# Altium PCB KOntroler v.1.1.PcbDoc (part 1 of 2)
Units mm, origin at the board's own origin, x right, y up, seen from the top; angles counter-clockwise.
Board outline 132.08 x 83 mm, 2 copper layers (Top Layer, Bottom Layer); 116 components, 97 nets, 484 pads, 241 vias.
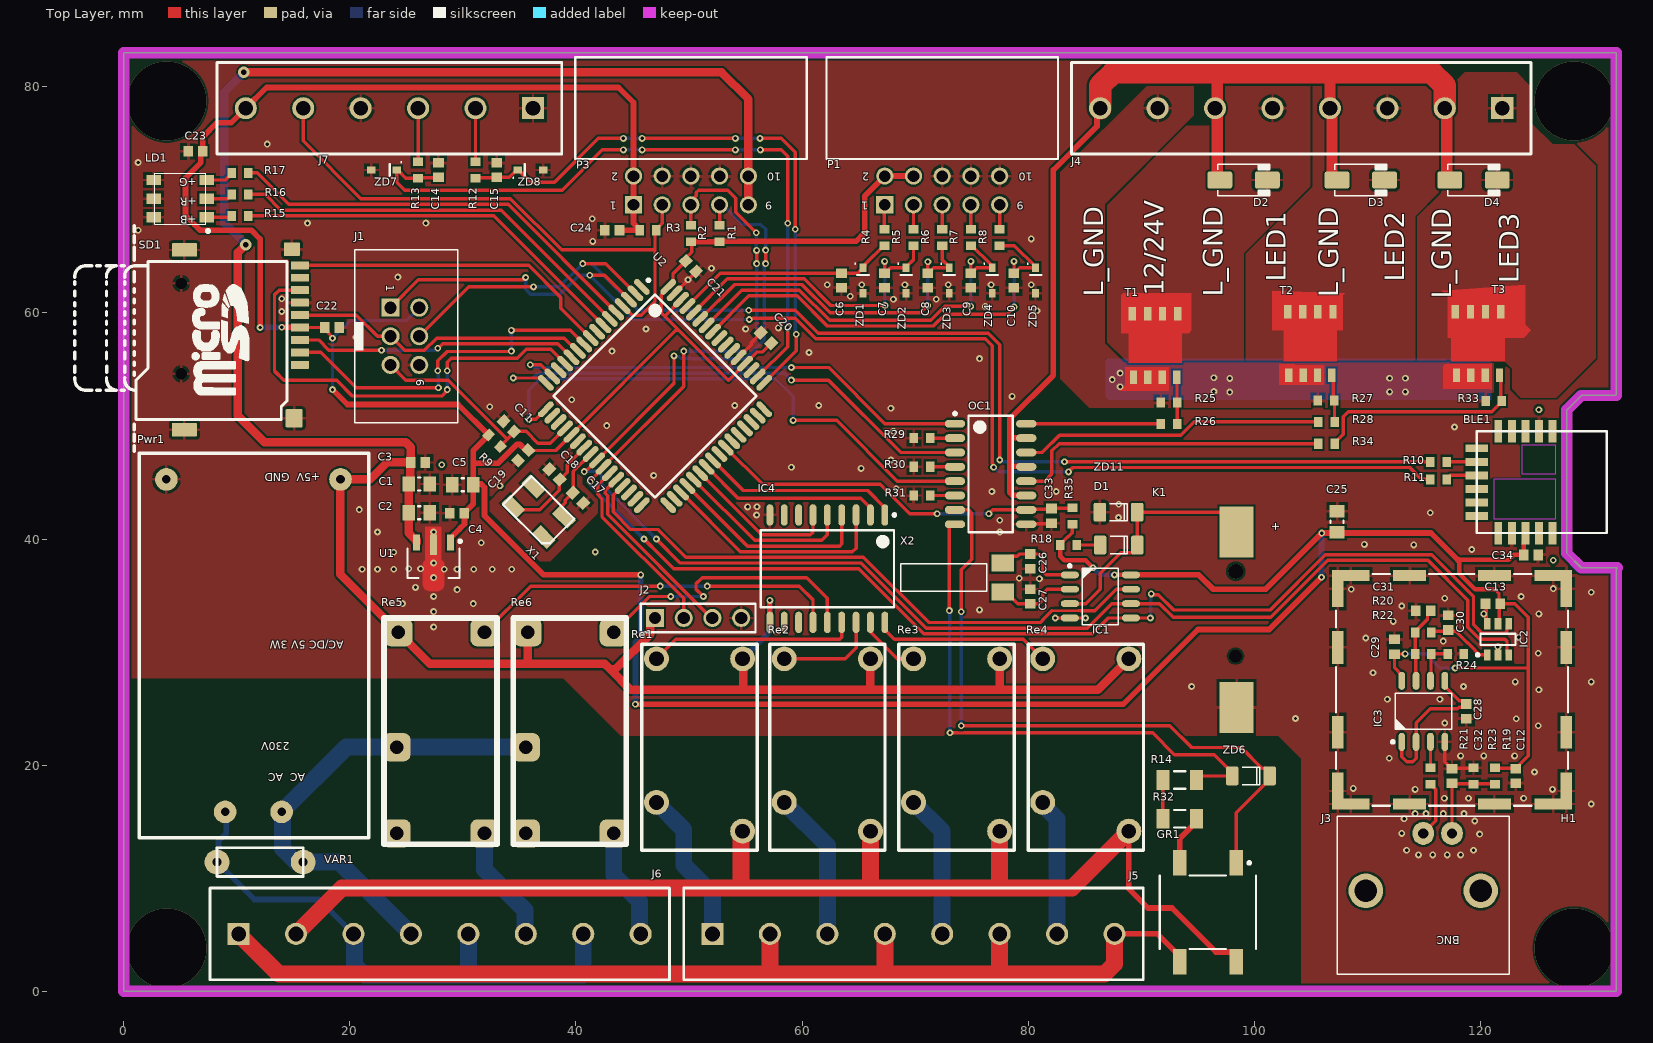
[diagram p0: Top Layer view]
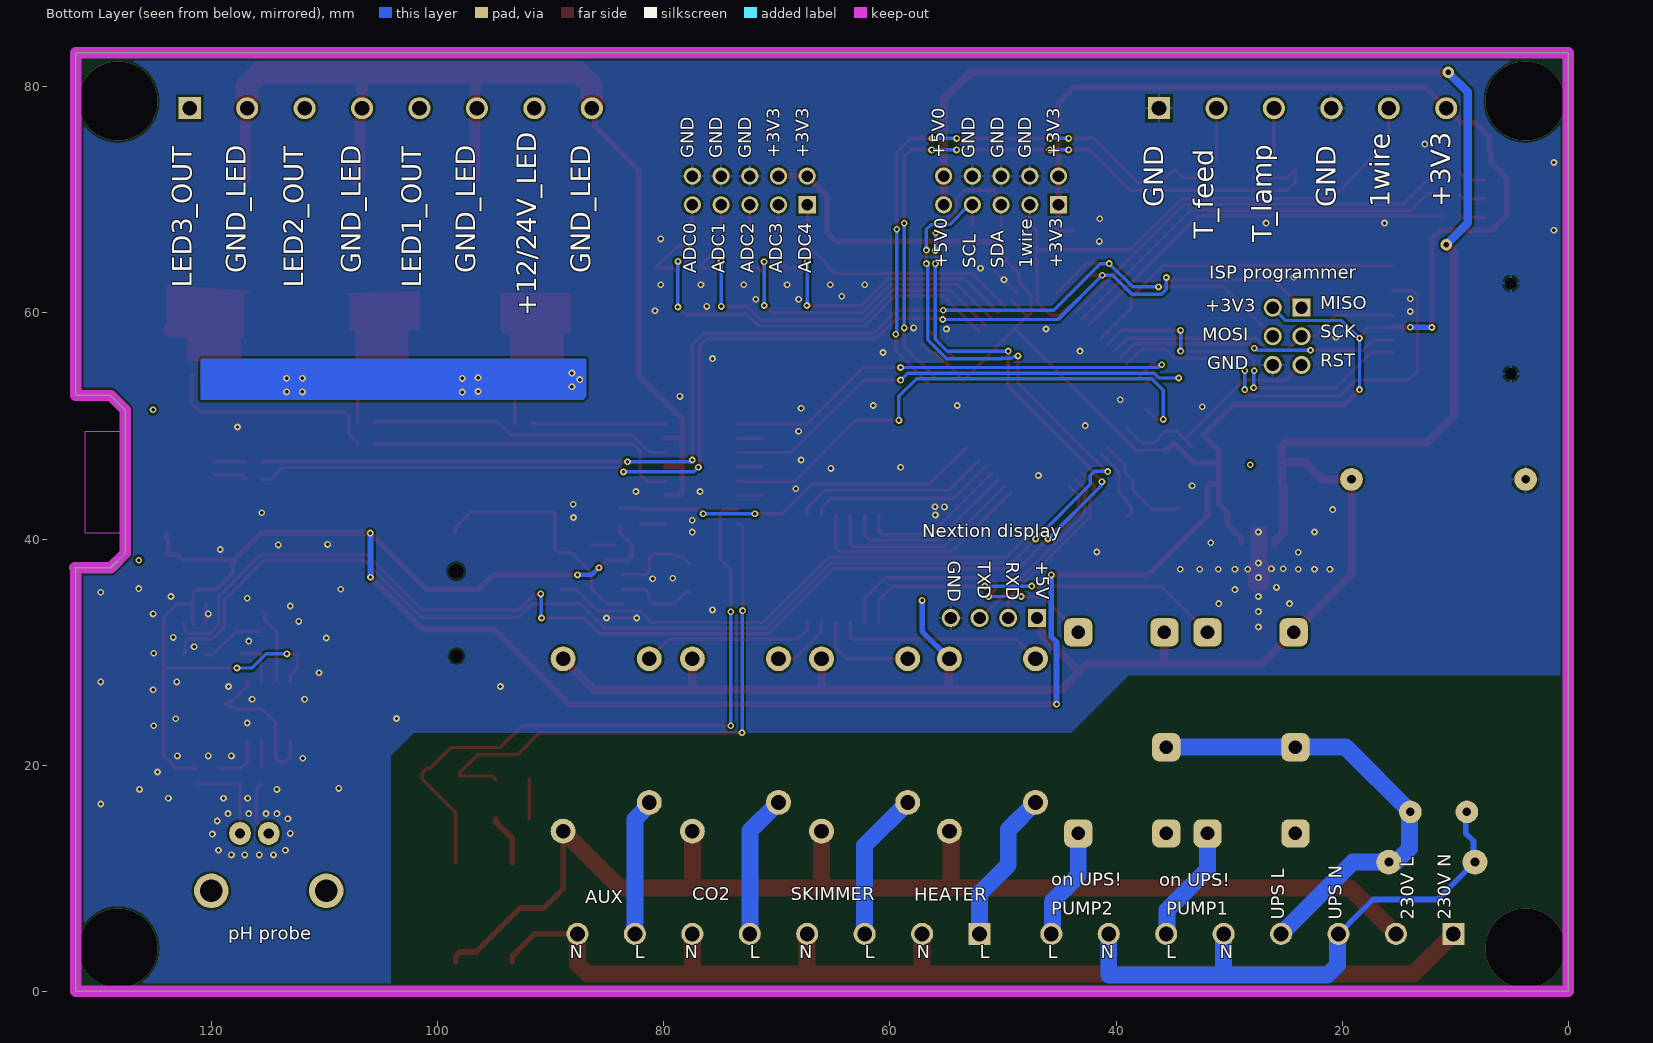
[diagram p1: Bottom Layer view, seen from below]
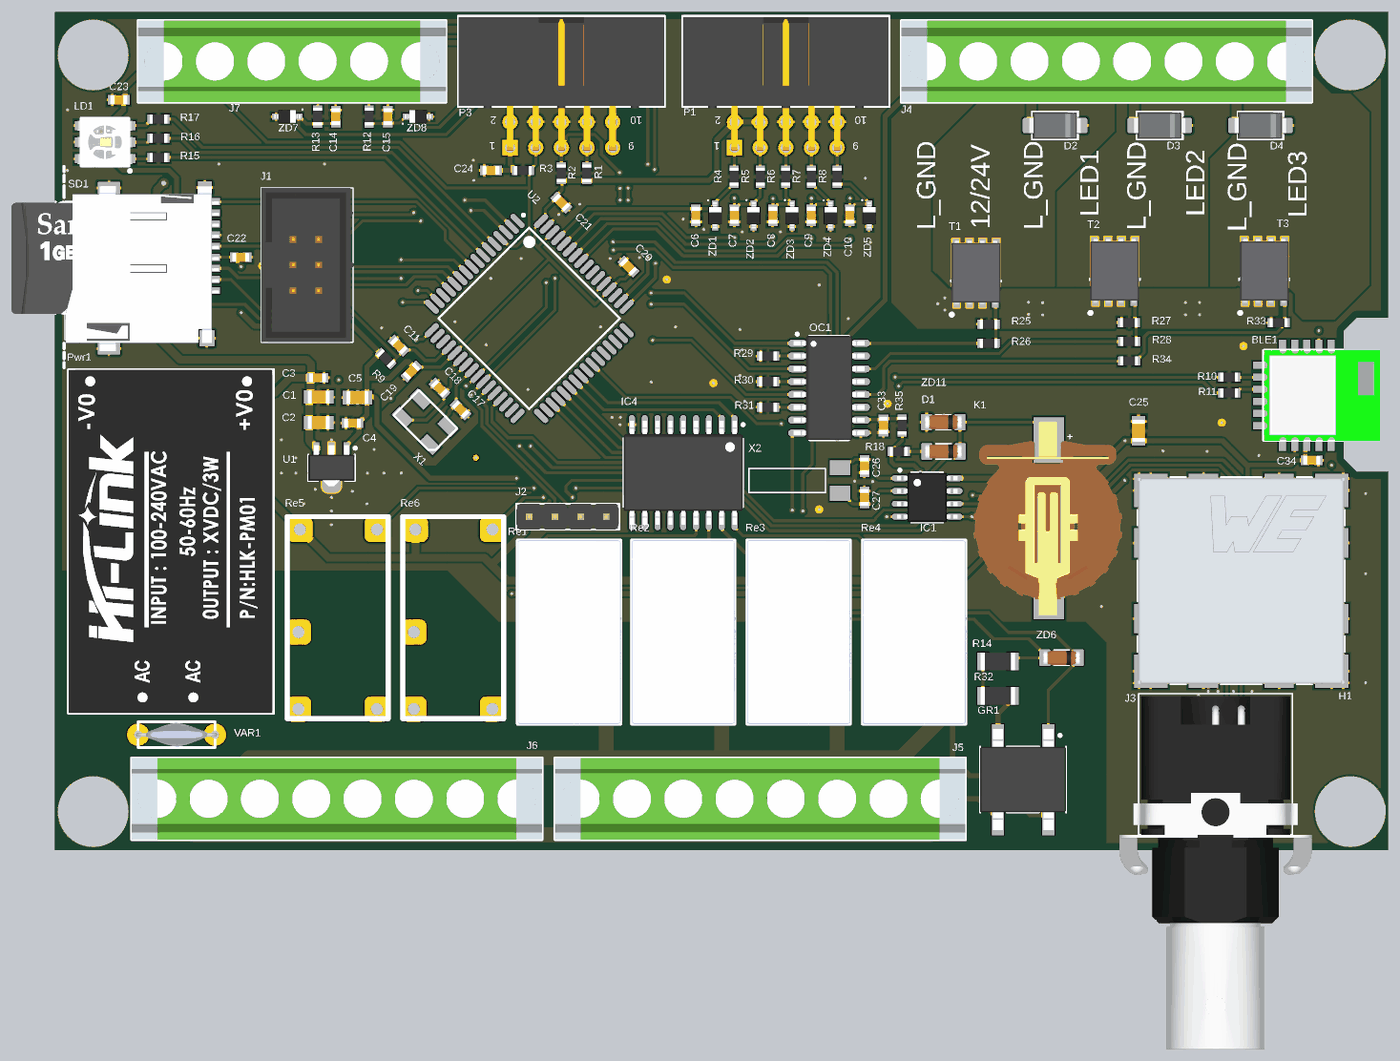
[diagram p3: 3D render of the assembled board from above, using the file's embedded part models]

## Layer stack, top to bottom
Top Solder: solder mask 0.0102, Solder Resist, Dk 3.5
Top Layer: signal copper 0.0356
Dielectric 1: dielectric 0.32, FR-4, Dk 4.8
Bottom Layer: signal copper 0.0356
Bottom Solder: solder mask 0.0102, Solder Resist, Dk 3.5

## Board outline
0,0 0,83 132,83 132,52.705 128.905,52.705 127.635,51.435 127.635,38.735 128.905,37.465 132.08,37.465 132,37.385 132,0

## Design rules (kind name [scope] priority, off if disabled: settings)
Clearance [All] p1: gap=0.2 ignorepadtopadclearanceinfootprint=FALSE
PolygonConnect [All] p1: thpad.connectstyle=Relief thpad.reliefconductorwidth=0.254 thpad.reliefentries=4 thpad.polygonreliefangle="90 Angle" thpad.airgapwidth=0.254 smdpad.connectstyle=Relief smdpad.reliefconductorwidth=0.254 smdpad.reliefentries=4 smdpad.polygonreliefangle="90 Angle" smdpad.airgapwidth=0.254 via.connectstyle=Direct via.reliefconductorwidth=0.254 via.reliefentries=4 via.polygonreliefangle="90 Angle" via.airgapwidth=0.254
RoutingVias [All] p1: holewidth=0.3 width=0.6 viastyle="Through Hole" minholewidth=0.3 minwidth=0.5 maxholewidth=10 maxwidth=10
SolderMaskExpansion [All] p1: expansion=0.102 istentingtop=FALSE
Width [All] p1: maxlimit=5 minlimit=0.2 preferedwidth=0.3
30 further rules are at their usual default settings.

## Classes and differential pairs
component class "RTC in SD": C26 C27 D1 IC1 K1 R18 SD1 X2 ZD11
component class PSU: C1 C2 C3 C4 C5 Pwr1 U1 VAR1
component class pH: C12 C13 C28 C29 C30 C31 C32 H1 IC2 IC3 J3 R19 R20 R21 R22 R23 R24
component class OUT_LEDS: C33 D2 D3 D4 GR1 J4 OC1 R14 R25 R26 R27 R28 R29 R30 R31 R32 R33 R34 R35 T1 T2 T3 ZD6
component class OUT_230VAC: IC4 J5 J6 Re1 Re2 Re3 Re4 Re5 Re6
component class MCU: C6 C7 C8 C9 C10 C11 C14 C15 C17 C18 C19 C20 C21 C22 C23 C24 C25 J1 J2 J7 LD1 P1 P3 R1 R2 R3 R4 R5 R6 R7 R8 R9 R12 R13 R15 R16 R17 U2 X1 ZD1 ZD2 ZD3 ZD4 ZD5 ZD7 ZD8
component class BLE: BLE1 C34 R10 R11

## Components (designator, comment, footprint, x,y, rotation, side; value= is the part's Value field where it differs from the comment)
BLE1 "RN4871" RN4781U 119.665,49.53 r270 top locked value=RN4871-I/RM130
C1 "10uF 0805" "0805 CAP" 26.135,44.869 r180 top value=10uF
C2 "10uF 0805" "0805 CAP" 26.135,42.329 r180 top value=10uF
C3 "100nF" "0603 cap" 26.035,46.774 r180 top
C4 "100nF" "0603 cap" 29.483,42.283 r0 top
C5 "10uF 0805" "0805 CAP" 29.982,44.814 r0 top value=10uF
C6 "100nF" "0603 cap" 63.481,62.865 r270 top
C7 "100nF" "0603 cap" 67.291,62.865 r270 top
C8 "100nF" "0603 cap" 71.101,62.865 r270 top
C9 "100nF" "0603 cap" 74.911,62.865 r270 top
C10 "100nF" "0603 cap" 78.721,62.865 r270 top
C11 "100nF" "0603 cap" 34.061,49.961 r315 top
C12 "10uF 0603" "0603 cap" 123.115,19.05 r90 top value=100nF
C13 "100nF" "0603 cap" 121.093,34.29 r0 top
C14 "100nF" "0603 cap" 27.832,72.642 r90 top
C15 "100nF" "0603 cap" 32.986,72.642 r90 top
C17 "22pF" "0603 cap" 40.18,43.64 r135 top
C18 "22pF" "0603 cap" 38.1,45.72 r315 top
C19 "100nF" "0603 cap" 35.327,47.409 r45 top
C20 "100nF" "0603 cap" 56.807,57.785 r315 top
C21 "100nF" "0603 cap" 50.165,64.135 r135 top
C22 "100nF" "0603 cap" 18.415,58.712 r180 top
C23 "100nF" "0603 cap" 6.35,74.295 r0 top
C24 "100nF" "0603 cap" 43.195,67.31 r0 top
C25 "10uF 0805" "0805 CAP" 107.315,41.53 r270 top value=10uF
C26 "12pF" "0603 cap" 80.18,38.03 r270 top value="6,8 pF"
C27 "12pF" "0603 cap" 80.18,34.925 r90 top value="6,8 pF"
C28 "Capacitor" "0603 cap" 118.745,24.765 r90 top value=100nF
C29 "100nF" "0603 cap" 112.395,30.48 r90 top
C30 "100nF" "0603 cap" 117.14,32.607 r270 top
C31 "100nF" "0603 cap" 114.935,33.655 r0 top
C32 "100nF" "0603 cap" 117.475,19.05 r270 top
C33 "100nF" "0603 cap" 82.058,42.05 r90 top
C34 "10uF 0603" "0603 cap" 124.46,38.6 r180 top value=10uF
D1 "NP" SOD80 88.001,39.476 r0 top value="1N4148, NP"
D2 "SS14" DO-214AC 99.045,71.755 r0 top
D3 "SS14" DO-214AC 109.41,71.755 r0 top
D4 "SS14" DO-214AC 119.38,71.755 r0 top
GR1 "GR" SOT4 95.885,6.985 r270 top
H1 "20x20x3mm" 36903205S 117.475,26.67 r0 top locked
IC1 "MCP7940N" SOIC8 86.38,34.925 r0 top value=MCP7940N-I/SN
IC2 "ADS1110" SOT23-6 121.539,31.13 r90 top
IC3 "NE5532A" SOIC8 114.935,24.765 r90 top
IC4 "ULN2803A" SOIC18 62.23,37.38 r270 top value=ULN2803ADW
J1 "ISP" 61200621621 24.865,57.937 r270 top
J2 "04p" 61300411121 50.8,33.02 r0 top
J3 "BNC Fem. 50R" CONN_BNC_RA_PCB 114.935,1.016 r180 top
J4 "LEDs" 691241510008 104.14,78.105 r180 top
J5 "230 VAC porabniki" 691241510008 69.85,5.08 r0 top
J6 "ČRPALKE" 691241510008 27.94,5.08 r0 top
J7 "691241510006" 691241510006 23.495,78.105 r180 top
K1 "S8411 bat holder" "S8411 BAT HOLDER" 98.425,33.02 r270 top value="SB411 battery holder NP"
LD1 "RGB_LED" LED_5050 73.852,62.855 r180 top value=Led_RGB_5050
OC1 "HCPL-244" SOIC16 76.668,45.755 r0 top
P1 "ADCs" 612010235221 72.39,78.105 r180 top
P3 "Digital" 612010235221 50.165,78.105 r180 top
Pwr1 "5V" "AC-DC 5V 3W" 11.47,30.575 r180 top
R1 "4k7" "0603 RES" 52.682,67.025 r270 top
R2 "4k7" "0603 RES" 50.165,67.025 r270 top
R3 "4k7" "0603 RES" 46.355,67.31 r180 top
R4 "1k" "0603 RES" 67.278,66.675 r90 top
R5 "1k" "0603 RES" 69.85,66.675 r90 top
R6 "1k" "0603 RES" 72.39,66.675 r90 top
R7 "1k" "0603 RES" 74.93,66.675 r90 top
R8 "1k" "0603 RES" 77.47,66.675 r90 top
R9 "10k" "0603 RES" 32.791,48.691 r135 top
R10 "0R" "0603 RES" 116.276,46.83 r180 top
R11 "0R" "0603 RES" 116.275,45.28 r180 top
R12 "1k" "0603 RES" 31.115,72.642 r90 top
R13 "1k" "0603 RES" 26.037,72.642 r90 top
R14 "270k" "1206 RES" 93.385,18.7 r0 top
R15 "470" "0603 RES" 10.272,68.58 r180 top
R16 "470" "0603 RES" 10.272,70.485 r180 top
R17 "470" "0603 RES" 10.272,72.39 r180 top
R18 "100R" "0603 RES" 83.556,39.476 r180 top value=100
R19 "10k" "0603 RES" 121.285,19.05 r270 top
R20 "100R" "0603 RES" 114.935,31.75 r0 top
R21 "1M" "0603 RES" 115.57,19.05 r90 top
R22 "3k3" "0603 RES" 114.935,29.845 r0 top
R23 "3k3" "0603 RES" 119.38,19.05 r90 top
R24 "3k3" "0603 RES" 117.81,29.845 r0 top
R25 "1k" "0603 RES" 92.46,52.07 r180 top
R26 "0R" "0603 RES" 92.46,50.19 r0 top
R27 "1k" "0603 RES" 106.34,52.243 r180 top
R28 "0R" "0603 RES" 106.38,50.363 r0 top
R29 "120" "0603 RES" 70.61,48.93 r0 top
R30 "120" "0603 RES" 70.61,46.39 r0 top
R31 "120" "0603 RES" 70.61,43.85 r0 top
R32 "270k" "1206 RES" 93.385,15.27 r180 top
R33 "1k" "0603 RES" 121.165,52.223 r180 top
R34 "0R" "0603 RES" 106.38,48.433 r0 top
R35 "10k" "0603 RES" 83.906,42.035 r270 top
Re1 "Relay SPST" "Mini PCB Relay OJE" 50.925,21.59 r270 top
Re2 "Relay SPST" "Mini PCB Relay OJE" 62.23,21.59 r270 top
Re3 "Relay SPST" "Mini PCB Relay OJE" 73.66,21.59 r270 top
Re4 "Relay SPST" "Mini PCB Relay OJE" 85.09,21.59 r270 top
Re5 "Relay single" "Finder relay" 23.02,33.02 r270 top
Re6 "Relay single" "Finder relay" 34.45,33.02 r270 top
SD1 "Micro SD" "SD Card Micro" 10.33,57.645 r90 top value="MicroSD holder"
T1 "MOSFET-P" TDSON-8 91.215,57.15 r0 top value=PFET
T2 "MOSFET-P" TDSON-8 104.945,57.323 r0 top value=SIR401DP-T1-GE3
T3 "MOSFET-P" TDSON-8 119.775,57.323 r0 top value=SIR401DP-T1-GE3
U1 "3V3 reg" SOT89 27.405,37.884 r270 top value=7805
U2 "ATmega64A-AU" 64A_N 46.99,52.649 r315 top value=ATmega64A
VAR1 "varistor" C7.5VN 12.065,11.43 r180 top value=275VAC
X1 "11.0592" "Xtal smd 3x5" 34.45,42.865 r315 top value="Xtal 11.0592"
X2 "32k Xtal" Xtal-32k 75.718,36.596 r180 top value=32k
ZD1 "ZD3V6 SOD323" SOD323 65.386,62.865 r90 top
ZD2 "ZD3V6 SOD323" SOD323 69.196,62.865 r90 top
ZD3 "ZD3V6 SOD323" SOD323 73.006,62.865 r90 top
ZD4 "ZD3V6 SOD323" SOD323 76.816,62.865 r90 top
ZD5 "ZD3V6 SOD323" SOD323 80.645,62.865 r90 top
ZD6 "5V1" SOD80 99.695,19.05 r0 top
ZD7 "ZD3V6 SOD323" SOD323 23.029,72.642 r0 top
ZD8 "ZD3V6 SOD323" SOD323 35.963,72.642 r180 top
ZD11 "NP" SOD80 87.98,42.375 r0 top value="3V, NP"

## Footprints (in the part's own frame and the unit in brackets; to place one, negate y for a bottom-side part, rotate by r counter-clockwise, add the part's x,y. Pads: shape width x height; smd on the part's side, far side on the other; paste and mask are expansions set on the pad)
64A_N [mm] "Thin QFP, 64-Leads, Body 14x14mm, Pitch 0.8mm, IPC Medium Density"
  oval 1.75x0.55 smd: 1(-7.65,6) 2(-7.65,5.2) 3(-7.65,4.4) 4(-7.65,3.6) 5(-7.65,2.8) 6(-7.65,2) 7(-7.65,1.2) 8(-7.65,0.4) 9(-7.65,-0.4) 10(-7.65,-1.2) 11(-7.65,-2) 12(-7.65,-2.8) 13(-7.65,-3.6) 14(-7.65,-4.4) 15(-7.65,-5.2) 16(-7.65,-6) 33(7.65,-6) 34(7.65,-5.2) 35(7.65,-4.4) 36(7.65,-3.6) 37(7.65,-2.8) 38(7.65,-2) 39(7.65,-1.2) 40(7.65,-0.4) 41(7.65,0.4) 42(7.65,1.2) 43(7.65,2) 44(7.65,2.8) 45(7.65,3.6) 46(7.65,4.4) 47(7.65,5.2) 48(7.65,6)
  oval 0.55x1.75 smd: 17(-6,-7.65) 18(-5.2,-7.65) 19(-4.4,-7.65) 20(-3.6,-7.65) 21(-2.8,-7.65) 22(-2,-7.65) 23(-1.2,-7.65) 24(-0.4,-7.65) 25(0.4,-7.65) 26(1.2,-7.65) 27(2,-7.65) 28(2.8,-7.65) 29(3.6,-7.65) 30(4.4,-7.65) 31(5.2,-7.65) 32(6,-7.65) 49(6,7.65) 50(5.2,7.65) 51(4.4,7.65) 52(3.6,7.65) 53(2.8,7.65) 54(2,7.65) 55(1.2,7.65) 56(0.4,7.65) 57(-0.4,7.65) 58(-1.2,7.65) 59(-2,7.65) 60(-2.8,7.65) 61(-3.6,7.65) 62(-4.4,7.65) 63(-5.2,7.65) 64(-6,7.65)
  silkscreen extent -7.77,-6.35 6.35,6.95, body extent -7,-7 7,7, height 1.2
"0603 cap" [mm]
  rect 0.85x0.95 smd: 1(-0.65,0) 2(0.65,0)
  body extent -0.85,-0.45 0.85,0.45, height 0.8
"0603 RES" [mm] "RES0603 medium"
  rect 0.75x0.9 smd: 1(-0.725,0) 2(0.725,0)
  body extent -0.87,-0.45 0.87,0.45, height 0.4
"0805 CAP" [mm] "0805 cap"
  rect 1.1x1.35 smd: 1(-0.925,0) 2(0.925,0)
  silkscreen extent -0.1,-0.58 0.1,0.58, body extent -1.1,-0.65 1.1,0.65, height 0.8
"1206 RES" [mm] "RES1206 med"
  rect 1.15x1.75 smd: 1(-1.475,0) 2(1.475,0)
  silkscreen extent -0.5,-0.77 0.5,0.77, body extent -1.7,-0.87 1.7,0.87, height 0.55
36903205S [mm] "Shielding Cabinet, body 20.4x20.4mm"
  rect 1x3.3 smd: 1(-10.1,-8.95) 1(-10.1,8.95) 1(10.1,-8.95) 1(10.1,8.95)
  rect 1x2.9 smd: 1(-10.1,-3.75) 1(-10.1,3.75) 1(10.1,-3.75) 1(10.1,3.75)
  rect 3.3x1 smd: 1(-8.95,-10.1) 1(-8.95,10.1) 1(8.95,-10.1) 1(8.95,10.1)
  rect 2.9x1 smd: 1(-3.75,-10.1) 1(-3.75,10.1) 1(3.75,-10.1) 1(3.75,10.1)
  silkscreen extent -10.25,-10.25 10.25,10.25, body extent -10.2,-10.2 10.2,10.2, height 3.21
61200621621 [mm] "6 pins, straight, gold plating"
  rect 1.6x1.6 hole 1.1: 1(-2.54,-1.27)
  round 1.6 hole 1.1: 2(-2.54,1.27) 3(0,-1.27) 4(0,1.27) 5(2.54,-1.27) 6(2.54,1.27)
  silkscreen extent -7.64,-4.43 7.64,4.68, body extent -7.64,-4.42 7.64,4.75, height 9.13
61300411121 [mm] "4 pins, 1 row, straight, gold plating"
  rect 1.6x1.6 hole 1.1: 1(-3.81,0)
  round 1.6 hole 1.1: 2(-1.27,0) 3(1.27,0) 4(3.81,0)
  silkscreen extent -5.08,-1.27 5.08,1.27, body extent -5.08,-1.27 5.08,1.27, height 8.57
612010235221 [mm] "10 pins, right angled, gold plating, High Temperature"
  rect 1.52x1.52 hole 1.02: 1(5.08,8.54)
  round 1.52 hole 1.02: 2(5.08,6) 3(2.54,8.54) 4(2.54,6) 5(0,8.54) 6(0,6) 7(-2.54,8.54) 8(-2.54,6) 9(-5.08,8.54) 10(-5.08,6)
  silkscreen extent -10.24,-4.5 10.24,4.5, body extent -10.18,-4.4 10.18,8.86, height 9.1
691241510006 [mm] "Serie 2415 - 5.08 mm _ 6 pins"
  rect 1.95x1.95 hole 1.3: 1(-12.7,0)
  round 1.95 hole 1.3: 2(-7.62,0) 3(-2.54,0) 4(2.54,0) 5(7.62,0) 6(12.7,0)
  silkscreen extent -15.24,-4.05 15.24,4.05, body extent -15.24,-4.05 15.24,4.05, height 10.05
691241510008 [mm] "Serie 2415 - 5.08 mm _ 8 pins"
  rect 1.95x1.95 hole 1.3: 1(-17.78,0)
  round 1.95 hole 1.3: 2(-12.7,0) 3(-7.62,0) 4(-2.54,0) 5(2.54,0) 6(7.62,0) 7(12.7,0) 8(17.78,0)
  silkscreen extent -20.32,-4.05 20.32,4.05, body extent -20.32,-4.05 20.32,4.05, height 10.05
"AC-DC 5V 3W" [mm] "Hi-Link 230VAC - 5VDC Converter"
  round 2 hole 0.762: 1(-2.5,14.7) 2(2.5,14.7) 3(7.7,-14.7) 4(-7.7,-14.7)
  silkscreen extent -10.2,-17 10.1,17, body extent -10.1,-17 10.1,17, height 15.01
C7.5VN [mm]
  round 2.2 hole 0.8: 1(3.81,0) 2(-3.81,0)
  silkscreen extent -3.81,-1.27 3.81,1.27, body extent -4,-1.2 4,1.19, height 10.03
CONN_BNC_RA_PCB [mil] "BNC connector, right angle PCB-mounted"
  round 20 on Mech15: 0(0,0)
  oval 75x80 hole 35: 1(0,-510) 2(-100,-510)
  round 120 hole 79: MH(-200,-310) MH(200,-310)
  silkscreen extent -300,-570 300,-20, body extent -375,-560 375,815, height 532
DO-214AC [mm] "DO-214AC SMA Diode"
  round 0.508 on Mech15: 0(0,0)
  rrect25% 2.2x1.5 smd: 1(-2.1,0) 2(2.1,0)
  silkscreen extent -2.3,-1.4 2.3,1.4, body extent -2.6,-1.3 2.6,1.3, height 2.42
"Finder relay" [mm] "32.21.7.012.4300"
  rrect50% 2.5x2.5 hole 1.2: 1(1.27,1.27) 2(1.27,8.89) 3(11.43,1.11) 4(19.05,8.89) 5(19.05,1.11)
  silkscreen extent 0,0 20,10, body extent 0,0 20.32,10.16, height 10
LED_5050 [mm] "RGB LED 5050"
  rect 1.3x0.9 smd: 1(66.5,-5.6) 2(66.5,-7.25) 3(66.5,-8.9) 4(71.2,-8.9) 5(71.2,-7.25) 6(71.2,-5.6)
  silkscreen extent 66.25,-9.5 71.1,-4.25, body extent 66.13,-9.75 71.63,-4.75, height 1.6
"Mini PCB Relay OJE" [mm] "TE Conectivity OJE-SH-105HM"
  round 2.2 hole 1.3: 1(-7.82,3.81) 2(-7.82,-3.81) 3(7.42,3.81) 4(4.88,-3.81)
  silkscreen extent -9.1,-5.1 9.1,5.1, body extent -9.1,-5.1 9.1,5.2, height 14.7
RN4781U [mm] "BLE 4.2 module"
  rect 2x0.7 smd: 1(0,6.7) 2(0,5.5) 3(0,4.3) 4(0,3.1) 5(0,1.9) 12(9,1.9) 13(9,3.1) 14(9,4.3) 15(9,5.5) 16(9,6.7)
  rect 0.7x2 smd: 6(1.5,0) 7(2.7,0) 8(3.9,0) 9(5.1,0) 10(6.3,0) 11(7.5,0)
  Top Layer keep-out region: 1.25,4 3.75,4 3.75,7 1.25,7
  Top Layer keep-out region: 4.25,1.5 7.75,1.5 7.75,7 4.25,7
  Keep-Out Layer region: 0,7.5 9,7.5 9,11.5 0,11.5
  silkscreen extent 0,0 9,11.5, body extent -8,0.05 9,11.55, height 25.37
"S8411 BAT HOLDER" [mm] "Battery holder S8411 for 1220Bat"
  rect 4.5x3 smd: 0(7.9,0) 1(-7.6,0)
  round 1.3 hole 1.3 unplated: 27(-4.125,-0.075)
  round 1 hole 1.1 unplated: 28(3.375,-0.1)
  body extent -9.4,-7.47 9.8,7.27, height 4.25
"SD Card Micro" [mm] "Micro SD card socket push-push"
  rrect10% 0.7x1.6 smd: 1(-2.235,-5.25) 2(-1.135,-5.25) 3(-0.035,-5.25) 4(1.065,-5.25) 5(2.165,-5.25) 6(3.265,-5.25) 7(4.365,-5.25) 8(5.465,-5.25) 9(6.565,-5.25)
  round 0.762 hole 1 mask+0: 6(-3.035,5.25) 6(4.965,5.25)
  rrect10% 1.6x1.5 smd: 10(-6.96,-4.742)
  rrect10% 1.2x2.2 smd: 11(-7.976,4.961) 12(7.925,4.961)
  rrect10% 1.2x1.4 smd: 13(7.976,-4.539)
  silkscreen extent -9.88,-4.11 10.06,14.66, body extent -8.21,-5.93 8.1,14.63, height 2
SOD80 [mm] "SOD80 Diode"
  round 0.5 on Mech15: 0(0,0)
  rrect25% 1.1x1.65 smd: 1(-1.65,0) 2(1.65,0)
  silkscreen extent -0.76,-0.76 0.76,0.76, body extent -1.8,-0.75 1.8,0.75, height 1.47
SOD323 [mm] "SOD323, 2-Leads, Body 1,25x2,50mm, IPC Medium Density"
  rect 0.75x0.6 smd: 1(-1.125,0) 2(1.125,0)
  silkscreen extent 0.5,-0.5 1.55,0.75, body extent -1.3,-0.68 1.3,0.67, height 1.1
SOIC8 [mm] "SO8"
  round 1 on Mech15: 0(0,0)
  oval 1.6x0.6 smd: 1(-2.7,1.905) 2(-2.7,0.635) 3(-2.7,-0.635) 4(-2.7,-1.905) 5(2.7,-1.905) 6(2.7,-0.635) 7(2.7,0.635) 8(2.7,1.905)
  silkscreen extent -2.82,-2.5 1.6,2.82, body extent -3,-2.45 3,2.45, height 1.75
SOIC16 [mm] "SOIC16 1,27mm"
  oval 1.8x0.7 smd: 1(-3.15,4.445) 2(-3.15,3.175) 3(-3.15,1.905) 4(-3.15,0.635) 5(-3.15,-0.635) 6(-3.15,-1.905) 7(-3.15,-3.175) 8(-3.15,-4.445) 9(3.15,-4.445) 10(3.15,-3.175) 11(3.15,-1.905) 12(3.15,-0.635) 13(3.15,0.635) 14(3.15,1.905) 15(3.15,3.175) 16(3.15,4.445)
  silkscreen extent -3.27,-5.15 1.95,5.47, body extent -3.5,-5.15 3.5,5.15, height 2
SOIC18 [mm] "SOIC, 18-Leads, Body 11,55x7,50mm, Pitch 1,27mm, IPC Medium Density"
  oval 1.9x0.6 smd: 1(-4.75,5.08) 2(-4.75,3.81) 3(-4.75,2.54) 4(-4.75,1.27) 5(-4.75,0) 6(-4.75,-1.27) 7(-4.75,-2.54) 8(-4.75,-3.81) 9(-4.75,-5.08) 10(4.75,-5.08) 11(4.75,-3.81) 12(4.75,-2.54) 13(4.75,-1.27) 14(4.75,0) 15(4.75,1.27) 16(4.75,2.54) 17(4.75,3.81) 18(4.75,5.08)
  silkscreen extent -4.87,-5.9 3.4,6.06, body extent -5.15,-5.9 5.15,5.9, height 2.65
SOT4 [mm] "Graetz"
  rect 2.25x1.2 smd: 1(-4.375,2.5) 2(-4.375,-2.5) 3(4.375,-2.5) 4(4.375,2.5)
  silkscreen extent -4.5,-4.25 3.25,4.25, body extent -5.02,-4.25 5.02,4.25, height 2.5
SOT23-6 [mm] "SOT23, 6-Leads, Body 2,92x2,80mm, Pitch 0,95mm, IPC Medium Density"
  rect 1x0.6 smd: 1(-1.375,0.95) 2(-1.375,0) 3(-1.375,-0.95) 4(1.375,-0.95) 5(1.375,0) 6(1.375,0.95)
  silkscreen extent -1.5,-1.55 0.5,1.92, body extent -1.5,-1.53 1.5,1.53, height 1.45
SOT89 [mm]
  rect 1.4x0.6 smd: 1(-1.8,1.5) 3(-1.8,-1.5)
  rect 1.8x0.6 smd: 2(-1.6,0)
  Top Layer region: -0.7,0.3 -0.171,0.829 -0.037,0.919 0.121,0.95 0.121,0.95 1.85,0.95 2.099,0.901 2.31,0.76 2.451,0.549 2.5,0.3 2.5,0.3 2.5,-0.3 2.451,-0.549 2.31,-0.76 2.099,-0.901 1.85,-0.95 1.85,-0.95 0.121,-0.95 -0.037,-0.919 -0.171,-0.829 -0.171,-0.829 -0.7,-0.3
  silkscreen extent -2.05,-2.3 1.32,2.48, body extent -2.2,-2.3 1.85,2.3, height 1.6
TDSON-8 [mm] "Mosfet TDSON 8-pin"
  rect 0.65x1.2 smd: 1(-1.905,-2.825) 1(-0.635,-2.825) 1(0.635,-2.825) 2(1.905,-2.825) 3(-2.007,2.794) 3(-0.66,2.794) 3(0.66,2.794) 3(2.007,2.794)
  round 0.6 on Top Overlay: ""(-2.4,-4.125)
  Top Layer region: 0.315,2.925 1.015,2.925 1.015,3.425 0.315,3.425
  Top Layer region: -1.015,2.925 -0.315,2.925 -0.315,3.425 -1.015,3.425
  Top Layer region: 1.65,2.925 2.35,2.925 2.35,3.425 1.65,3.425
  Top Layer region: -2.35,2.925 -1.65,2.925 -1.65,3.425 -2.35,3.425
  Top Layer region: -2.35,2.925 -2.35,-1.575 2.35,-1.575 2.35,2.925
  body extent -2.58,-3.15 2.57,3.2, height 1.1
"Xtal smd 3x5" [mm]
  rect 1.9x1.1 smd: 1(0,0) 2(3.81,2.54) ""(0,2.54) ""(3.81,0)
  silkscreen extent -0.76,-0.51 4.57,3.05, body extent -0.86,-0.61 4.67,3.15, height 1
Xtal-32k [mm]
  rect 2x1.5 smd: 1(-2.032,1.27) 2(-2.032,-1.27)
  silkscreen extent -0.6,-1.2 6.98,1.2

## Part data
C1 C2 C5: library part Capacitor, "Capacitor non-polarized", Voltage=10V
C3 C4 C6 C7 C8 C9 C10 C11 C12 C13 C14 C15 C19 C20 C21 C22 C23 C24 C29 C30 C31 C32 C33: library part Capacitor, "Capacitor non-polarized", Voltage=50V
C17 C18 C25: library part Capacitor, "Capacitor non-polarized"
C26 C27: library part cap-smd
C28: "Capacitor non-polarized", Voltage=50V
C34: library part C0603, "Ceramic Chip Capacitor - Standard", PackageDocument=Mar-2001, Code_IPC="1608 [0603]", Code_JEITA=0603, ComponentLink1Description="Manufacturer Link", ComponentLink1URL=http://www.kemet.com/, ComponentLink2Description=Datasheet, ComponentLink2URL=http://www.kemet.com/kemet/web/homepage/kechome.nsf/vapubfilesname/F3102TA.pdf/$file/F3102TA.pdf, DatasheetDocument=Mar-2001, LatestRevisionDate=19-Mar-2004, LatestRevisionNote="Silkscreen size reduced.", Note="Footprint corresponds to dimensions for bulk cassette packaging. This case size has tightened tolerances.", PackageReference=0603, Published=17-Jul-2002, Publisher="Altium Limited"
D1: library part Diode
D2 D3 D4: library part Diode, "Diode standard"
GR1: library part Graetz
H1: library part 36903205S, "WE-SHC Shielding Cabinet, One Piece, 20x20x3mm", Operating Temperature="-40 to +125degC", Base Material="Tin plate", ComponentLink1Description=Manufacturer, ComponentLink1URL=http://www.we-online.de, ComponentLink2Description=Datasheet, ComponentLink2URL=https://katalog.we-online.com/pbs/datasheet/36903205S.pdf, Height=3mm, Length=20mm, Mounting Technology=SMT, Packaging="Tape and Reel", Part Number=36903205S, Published Date="June 2019", Publisher="Wurth Elektronik", Type="One Piece", Width=20mm
IC1: "RTC module", Farnell=2361122
IC2: "16-bit ADC", Power consumption=240µA, Power supply="2,7 - 5,5 VDC", Farnell=1206859, Onboard reference=2.048V, Resolution=16-bit
IC3: "Rail-to-rail OpAmp 2 ch"
J1: library part 61200621621, "WR-BHD 2.54mm Male Box Header", Manufacturer="Wurth Elektronik", ComponentLink1 Description=Manufacturer, ComponentLink1URL=http://www.we-online.com, ComponentLink2 Description=Datasheet, ComponentLink2URL=http://katalog.we-online.de/em/datasheet/6120xx21621.pdf, Created by="Baojun Chen", Created Date="March 2016", NoPins=6, partNo=61200621621
J2: library part 61300411121, "WR-PHD 2.54 mm THT Pin Header, 04p", ComponentLink1Description=Manufacturer, ComponentLink1URL=http://www.we-online.de, ComponentLink2Description=Datasheet, ComponentLink2URL=http://katalog.we-online.de/em/datasheet/6130xx11121.pdf, PartNumber=61300411121, PinNumber=04p, PublishedDate="July 2016", Publisher="Wurth Elektronik"
J3: library part CONN_BNC_FEM_50R, "Connector BNC 50 Ohm right-angle PCB mounted", Manufacturer 1="TE Connectivity", Manufacturer Part Number 1=5413515-9, Ratings="9400pF; 1500V", Supplier Part Number 1=A32418-ND, Category=Connectors, ComponentLink1Description="TE Datasheet", ComponentLink1URL=http://www.te.com/commerce/DocumentDelivery/DDEController?Action=srchrtrv&DocNm=5413515&DocType=Customer+Drawing&DocLang=English, Impedance="50 Ohm", Mounting Type="Through Hole", SCDType=undef, Supplier 1=Digi-Key
J4 J5 J6: library part 691241510008, "WR-TBL Serie 2415 - 5.08 mm Horizontal Entry Modular with Rising Cage Clamp, 8p", ComponentLink1Description=Manufacturer, ComponentLink1URL=http://www.we-online.de, ComponentLink2Description=Datasheet, ComponentLink2URL=http://katalog.we-online.de/em/datasheet/6912415100xx.pdf, Part Number=691241510008, Pin Number=8, Pitch="5.08 mm", Published Date="March 2017", Publisher="Wurth Elektronik"
J7: "WR-TBL Serie 2415 - 5.08 mm Horizontal Entry Modular with Rising Cage Clamp, 6p", ComponentLink1Description=Manufacturer, ComponentLink1URL=http://www.we-online.de, ComponentLink2Description=Datasheet, ComponentLink2URL=http://katalog.we-online.de/em/datasheet/6912415100xx.pdf, Part Number=691241510006, Pin Number=6, Pitch="5.08 mm", Published Date="March 2017", Publisher="Wurth Elektronik"
K1: library part "Bat holder 1220", "Battery holder S8411 for 1220"
LD1: library part LED_RGB, "LED RGB"
OC1: library part "Optocoupler 4X", "4x Optocoupler SOIC16"
P1 P3: library part 612010235221, "Male Box Header WR-BHD, THT, Angled, pitch 2.54 mm, 10 pins", Contact Resistance="20 mOhm", Operating Temperature="-40 to 125 degC", Withstanding Voltage="500 VAC", Working Voltage="250 VAC", ComponentLink1Description=Manufacturer, ComponentLink1URL=http://www.we-online.de, ComponentLink2Description=Datasheet, ComponentLink2URL=https://katalog.we-online.de/em/datasheet/6120xx235221.pdf, Gender=Male, Mounting Technology=THT, Orientation=Angled, Packaging=Tray, Part Number=612010235221, Pin Number=10, Pitch="2.54 mm", Published Date="August 2018", Publisher="Wurth Elektronik"
Pwr1: library part "AC-DC Module", "HLK-PM12"
R1 R2 R3 R4 R5 R6 R7 R8 R9 R12 R13 R14 R15 R16 R17 R19 R20 R21 R22 R23 R24 R25 R26 R27 R28 R29 R30 R31 R32 R33 R34 R35: library part Resistor, "Resistor SMD"
R10 R11: library part Res2-smd
R18: library part Res2-smd, "NP"
Re1 Re2 Re3 Re4: Current=10A, Supplier Part Number 1=1891646, Voltage=5VDC, Supplier 1=Farnell
Re5 Re6: Contact current=6A, Voltage=5V, Farnell=32.21.7.005.2000
SD1: library part "SD Card"
T1 T2 T3: "MOSFET P"
  T2 T3: Farnell=2283664
U1: library part "Regulator 78XX"
U2: "8-bit AVR Microcontroller, 2.7-5.5V, 16MHz, 64KB Flash, 2KB EEPROM, 4KB SRAM, 64-pin TQFP, Industrial Grade (-40°C to 85°C)", Code_JEDEC=MS-026-AEB, ComponentLink1Description="Manufacturer URL", ComponentLink1URL=http://www.atmel.com/, ComponentLink2Description="ATmega64A Datasheet", ComponentLink2URL=http://www.atmel.com/dyn/resources/prod_documents/doc8160.pdf, ComponentLink3Description="ATmega64A Summary", ComponentLink3URL=http://www.atmel.com/dyn/resources/prod_documents/8160S.pdf, DatasheetVersion="revC, Jul-2009", PackageDescription="64-Pin Plastic Thin Profile Quad Flat Pack, 14 x 14 x 1.0 mm Body, 0.8 mm Pitch (TQFP)", PackageReference=64A, PackageVersion="revC, Oct-2010"
X1 X2: library part Crystal, "XTAL"
  X1: Frequency=11.0592
ZD1 ZD2 ZD3 ZD4 ZD5 ZD6 ZD7 ZD8: library part "Diode Zener", "Zener"
ZD11: library part "Diode Zener"
BLE1: Farnell=2907905
IC4: Farnell=2764697

## Via types
v1: diameter 0.6, hole 0.3, Top Layer to Bottom Layer, tented both sides, 225 vias
v2: diameter 0.6, hole 0.3, Top Layer to Bottom Layer, 10 vias
v3: diameter 7, hole 7, Top Layer to Bottom Layer, tented both sides, 4 vias
v4: diameter 1, hole 0.5, Top Layer to Bottom Layer, tented both sides, 2 vias

## Nets (pads, with @x,y where several pads share a name; then routed paths per layer and width w, separated by ;. In a path a pad name is that pad's centre, name@x,y a point inside that pad or via, vN(x,y) a via of type N, cw(c..) or ccw(c..) an arc to the next point about the centre after c; other vN are vias at no path point)
"230 VAC L": GR1.4 J6.2 Re1.3 Re2.3 Re3.3 Re4.3 | length 110.2
  Top Layer w0.5: Re4.3@88.9,14.17 88.9,9.062 90.596,7.366 92.71,7.366 96.591,3.485 98.035,3.485 98.385,3.135 GR1.4@98.385,2.61
  Top Layer w1.5: J6.2@15.24,5.08 19.304,9.144 54.61,9.144 ; Re1.3@54.735,14.17 54.61,14.045 54.61,9.144 ; Re2.3@66.04,14.17 66.04,9.356 66.252,9.144 ; Re3.3@77.47,14.17 77.47,9.144 ; Re4.3@88.9,14.17 83.874,9.144 77.47,9.144 ; 54.61,9.144 66.252,9.144 ; 66.252,9.144 77.47,9.144
"230 VAC N": GR1.3 J5.2 J5.4 J5.6 J5.8 J6.1 | length 99.9
  Top Layer w0.5: J5.8@87.63,5.08 91.44,5.08 93.385,3.135 GR1.3@93.385,2.61
  Top Layer w1.5: J6.1@10.16,5.08 13.716,1.524 56.896,1.524 ; J5.2@57.15,5.08 57.15,1.778 56.896,1.524 ; J5.4@67.31,5.08 67.31,1.778 67.564,1.524 ; J5.6@77.47,5.08 77.47,1.524 ; J5.8@87.63,5.08 87.63,2.403 86.751,1.524 77.47,1.524 ; 56.896,1.524 67.564,1.524 ; 67.564,1.524 77.47,1.524
+3V3: BLE1.14 C4.2 C5.2 C12.2 C13.2 C19.2 C20.2 C21.2 C22.2 C23.2 C24.2 C25.2 C29.1 C34.2 IC1.8 IC2.5 IC3.8 J1.2 J7.6 P1.2 P1.4 P3.1 P3.2 R1.2 R2.2 R3.2 R9.2 R18.2 R19.1 R35.2 SD1.4 U1.1 U2.21 U2.52 U2.62 U2.64 | length 387.1
  Top Layer w0.3: SD1.4@15.58,58.71 17.763,58.71 C22.2@17.765,58.712 18.04,58.437 18.04,58.272 18.461,57.851 v1(18.461,57.77) ; C19.2@35.787,47.869 35.822,47.833 38.215,47.833 U2.21@39.601,49.219 48.833,58.451 49.081,58.451 ; U2.62@49.288,61.17 47.83,59.712 47.83,59.702 ; R2.2@50.165,66.3 50.225,66.24 50.225,65.383 49.705,64.864 C21.2@49.705,64.595 48.581,63.47 48.581,62.725 U2.64@48.157,62.301 48.157,62.233 47.538,61.615 47.538,59.995 47.83,59.702 ; C20.2@57.267,57.325 56.482,56.54 55.972,56.54 U2.52@54.945,55.513 53.492,54.06 53.473,54.06 49.081,58.451 ; R18.2@82.831,39.476 82.831,39.551 83.481,40.2 83.556,40.2 83.906,40.551 R35.2@83.906,41.31 ; IC3.8@113.03,27.465 113.03,27.965 112.395,28.6 C29.1@112.395,29.83 112.403,29.837 113.322,29.837 v1(113.33,29.845) ; v1(117.75,28.6) 124.235,28.6 ; R19.1@121.285,19.775 121.323,19.737 123.078,19.737 C12.2@123.115,19.7 123.165,19.7 123.44,19.975 123.44,20.025 124.235,20.82 124.235,28.6 ; 121.285,35.56 121.63,35.215 121.63,34.403 C13.2@121.743,34.29 ; IC2.5@121.539,32.505 121.641,32.607 121.641,34.188 C13.2@121.743,34.29 ; 47.83,59.702 49.081,58.451 ; C13.2@121.743,34.29 123.013,34.29 124.235,33.068 124.235,28.6
  Top Layer w0.4: R18.2@82.831,39.476 82.831,38.473 83.18,38.125 85.065,38.125 v1(85.725,37.465) ; v1(87.63,36.83) IC1.8@89.08,36.83 ; 118.1,38.15 118.1,36.973 119.513,35.56 121.285,35.56 ; 118.118,38.15 122.482,38.15 122.932,38.6 C34.2@123.81,38.6 123.81,39.725 123.965,39.88 BLE1.14@123.965,40.53
  Top Layer w0.5: v1(12.065,58.71) 12.065,66.543 11.298,67.31 6.762,67.31 6.517,67.555 6.516,67.555 6.252,67.819 6.252,67.82 5.461,68.611 5.461,71.94 6.825,73.304 6.825,74.12 C23.2@7,74.295 7,75.58 8.255,76.835 9.525,76.835 J7.6@10.795,78.105 12.635,79.945 43.755,79.945 45.085,78.615 P3.2@45.085,72.105 P3.1@45.085,69.565 45.085,67.93 45.63,67.385 R3.2@45.63,67.31 C24.2@43.845,67.31 ; v1(13.985,58.737) 13.999,58.724 15.566,58.724 SD1.4@15.58,58.71 ; v1(18.463,53.223) 19.78,51.906 29.575,51.906 R9.2@32.278,49.203 30.907,47.832 30.907,46.716 ; U1.1@28.905,39.684 28.905,40.084 29.708,40.887 29.708,40.906 30.133,41.331 C4.2@30.133,42.283 30.133,42.333 30.907,43.108 C5.2@30.907,44.814 ; C19.2@35.787,47.869 35.54,47.869 35.027,48.381 34.786,48.381 33.12,46.716 30.907,46.716 ; v1(45.258,25.4) 88.408,25.4 95.013,32.005 101.318,32.005 v1(105.931,36.618) ; v1(45.72,36.83) 37.145,36.83 31.91,42.065 31.91,44.576 31.617,44.869 30.963,44.869 C5.2@30.907,44.814 ; R2.2@50.165,66.3 R1.2@52.682,66.3 52.707,66.325 64.77,66.325 65.536,67.091 65.536,70.331 P1.2@67.31,72.105 P1.4@69.85,72.105 ; IC1.8@89.08,36.83 95.084,36.83 96.354,35.56 100.99,35.56 v1(105.96,40.53) 115.613,40.53 117.993,38.15 118.1,38.15 ; C5.2@30.907,44.814 30.907,46.716
  Bottom Layer w0.3: v1(18.463,53.223) 18.463,57.768 v1(18.461,57.77) 20.018,59.327 24.985,59.327 J1.2@26.135,60.477 ; v1(113.33,29.845) 115.165,29.845 116.41,28.6 v1(117.75,28.6)
  Bottom Layer w0.4: v1(85.725,37.465) 85.728,37.465 86.363,36.83 v1(87.63,36.83)
  Bottom Layer w0.5: v1(12.065,58.71) 12.079,58.724 13.971,58.724 v1(13.985,58.737) ; v1(45.258,25.4) 45.258,30.884 45.72,31.346 v1(45.72,36.83) ; v1(105.931,36.618) 105.931,40.5 v1(105.96,40.53)
+5V: C1.2 C2.2 C3.2 IC4.10 J2.1 P3.9 P3.10 Pwr1.4 Re1.1 Re2.1 Re3.1 Re4.1 Re5.1 Re6.1 U1.3 | length 228.4
  Top Layer w0.5: IC4.10@57.15,32.63 v1(57.15,34.576)
  Top Layer w0.75: v4(10.622,81.28) 52.879,81.28 55.245,78.914 P3.10@55.245,72.105 P3.9@55.245,69.565 ; v4(10.795,66.04) 10.106,65.351 10.106,50.901 12.443,48.564 24.946,48.564 25.385,48.125 C3.2@25.385,46.774 ; U1.3@25.905,39.684 25.905,39.934 25.83,40.009 25.73,40.009 25.21,40.529 C2.2@25.21,42.329 C1.2@25.21,44.869 25.335,44.994 25.335,46.724 C3.2@25.385,46.774 ; Re6.1@35.72,31.75 35.72,29.102 35.574,28.956 ; J2.1@46.99,33.02 46.565,32.595 46.565,31.567 43.506,28.508 42.995,28.508 ; Re1.1@54.735,29.41 54.804,29.341 54.804,26.67 ; Re2.1@66.04,29.41 66.04,26.67 ; Re3.1@77.47,29.41 77.47,26.67 ; Re4.1@88.9,29.41 86.16,26.67 77.47,26.67 ; C3.2@25.385,46.774 23.282,46.774 21.783,45.275 Pwr1.4@19.17,45.275 19.17,36.87 Re5.1@24.29,31.75 27.084,28.956 35.574,28.956 ; 35.574,28.956 42.547,28.956 42.995,28.508 ; 42.995,28.508 44.833,26.67 54.804,26.67 ; 54.804,26.67 66.04,26.67 ; 66.04,26.67 77.47,26.67
  Bottom Layer w0.5: Re1.1@54.735,29.41 57.15,31.825 v1(57.15,34.576)
  Bottom Layer w0.75: v4(10.622,81.28) 8.89,79.548 8.89,67.945 v4(10.795,66.04)
EXT_12/24V: J4.7 R25.2 R27.2 R33.2 T1.1 T2.1 T3.1
  other v1: 97.816,52.998 111.96,53.015 113.356,53.015 96.42,53.052 88.122,53.471 87.435,54.102 97.816,54.207 111.96,54.224 113.356,54.224 96.42,54.261 88.122,54.68
GND: BLE1.2 BLE1.13 C1.1 C2.1 C3.1 C4.1 C5.1 C6.2 C7.2 C8.2 C9.2 C10.2 C11.1 C12.1 C13.1 C14.2 C15.2 C19.1 C20.1 C21.1 C22.1 C23.1 C24.1 C25.1 C26.2 C27.2 C28.1 C29.2 C30.1 C31.1 C32.1 C33.1 C34.1 H1.1 IC1.4 IC2.2 IC2.6 IC3.4 IC4.9 J1.6 J2.4 J7.1 J7.4 K1.0 LD1.4 LD1.5 LD1.6 OC1.9 P1.6 P1.8 P1.10 P3.4 P3.6 P3.8 Pwr1.3 R23.2 R24.2 R29.1 R30.1 R31.1 SD1.6 SD1.10 SD1.11 SD1.12 SD1.13 U1.2 U2.53 U2.63 ZD1.1 ZD2.1 ZD3.1 ZD4.1 ZD5.1 ZD7.1 ZD8.1 ZD11.1 | length 17.1
  Top Layer w0.3: U2.63@48.722,61.735 48.722,61.754 50.625,63.656 C21.1@50.625,63.675 ; U2.53@54.379,56.078 55.485,57.184 55.485,57.382 C20.1@56.347,58.245 ; OC1.9@79.818,41.31 79.863,41.355 82.013,41.355 C33.1@82.058,41.4 ; v1(82.38,33.02) 82.421,33.02 82.442,32.999 82.463,33.02 IC1.4@83.68,33.02 v1(85.065,33.02) ; IC3.4@116.84,22.065 116.84,20.285 117.425,19.7 C32.1@117.475,19.7 117.513,19.738 119.343,19.738 R23.2@119.38,19.775 ; C13.1@120.443,34.29 120.516,34.217 120.516,32.578 IC2.6@120.589,32.505
  other v1: 114.512,12.065 115.782,12.065 117.052,12.065 118.235,12.065 113.46,12.485 119.38,12.485 119.917,13.906 113.03,13.97 119.486,15.07 113.242,15.27 114.21,15.72 115.175,15.72 116.71,15.72 118.535,15.72 129.794,16.57 116.801,17.07 118.937,17.07 123.81,17.07 114.21,17.86 126.365,17.86 108.75,17.95 124.775,19.4 111.92,20.61 118.235,20.82 120.289,20.82 123.013,20.82 125.095,23.495 116.84,23.735 103.632,24.13 123.165,24.115 111.76,25.84 116.41,25.84 125.165,26.67 94.442,26.965 118.491,26.965 123.078,27.37 129.794,27.37 110.49,28.177 125.11,29.905 121.539,30.48 116.71,30.979 109.855,31.248 123.385,31.3 27.405,32.22 112.275,32.72 120.289,33.38 125.165,33.38 27.405,33.586 113.03,34.078 24.66,34.29 30.907,34.29 116.84,34.765 27.405,34.925 123.59,34.925 129.794,35.306 29.483,35.529 108.565,35.56 126.425,35.62 25.81,35.726 80.982,36.495 79.196,36.53 27.405,36.596 21.082,37.338 22.444,37.338 23.876,37.338 28.355,37.338 29.483,37.338 30.963,37.338 32.597,37.338 34.31,37.338 25.21,37.38 26.26,37.38 27.405,37.884 23.876,38.827 119.22,39.075 114.088,39.486 109.728,39.53 31.617,39.684 77.47,40.62 22.444,40.623 27.405,40.623 77.47,41.66 87.98,41.905 55.972,42.13 20.828,42.61 55.176,42.844 56.012,42.863 88.001,43.08 68.326,44.45 33.274,44.717 46.865,45.619 59.055,46.355 67.847,46.99 68.07,49.53 42.715,50.038 67.847,51.562 32.366,51.712 54.044,51.816 61.468,51.816 39.624,52.324 78.57,52.621 75.69,55.963 43.18,56.625 46.19,58.58 54.998,58.58 57.903,58.677 13.985,60.125 80.772,60.198 76.2,60.575 68.07,61.214 71.853,61.214 13.985,61.26 64.262,61.468 62.23,62.484 65.278,62.484 69.09,62.484 72.927,62.484 76.71,62.484 80.264,62.484 49.907,62.939 51.983,63.958 41.489,66.325 80.264,66.548 1.27,67.31 16.256,67.945 26.724,67.945 41.439,68.326 1.27,73.304 12.7,74.93
  other v2: 75.69,33.733 41.705,38.854 115.55,42.328 76.785,44.207 82.463,44.207 65.217,46.25 117.699,49.913 60.603,56.503 20.546,57.851 24.252,63.172